# Allegro board 1156197-TDI_VU3P_QSFP28_CXP_V001_1023A-166-20241121_1644_PCB.brd (continued)
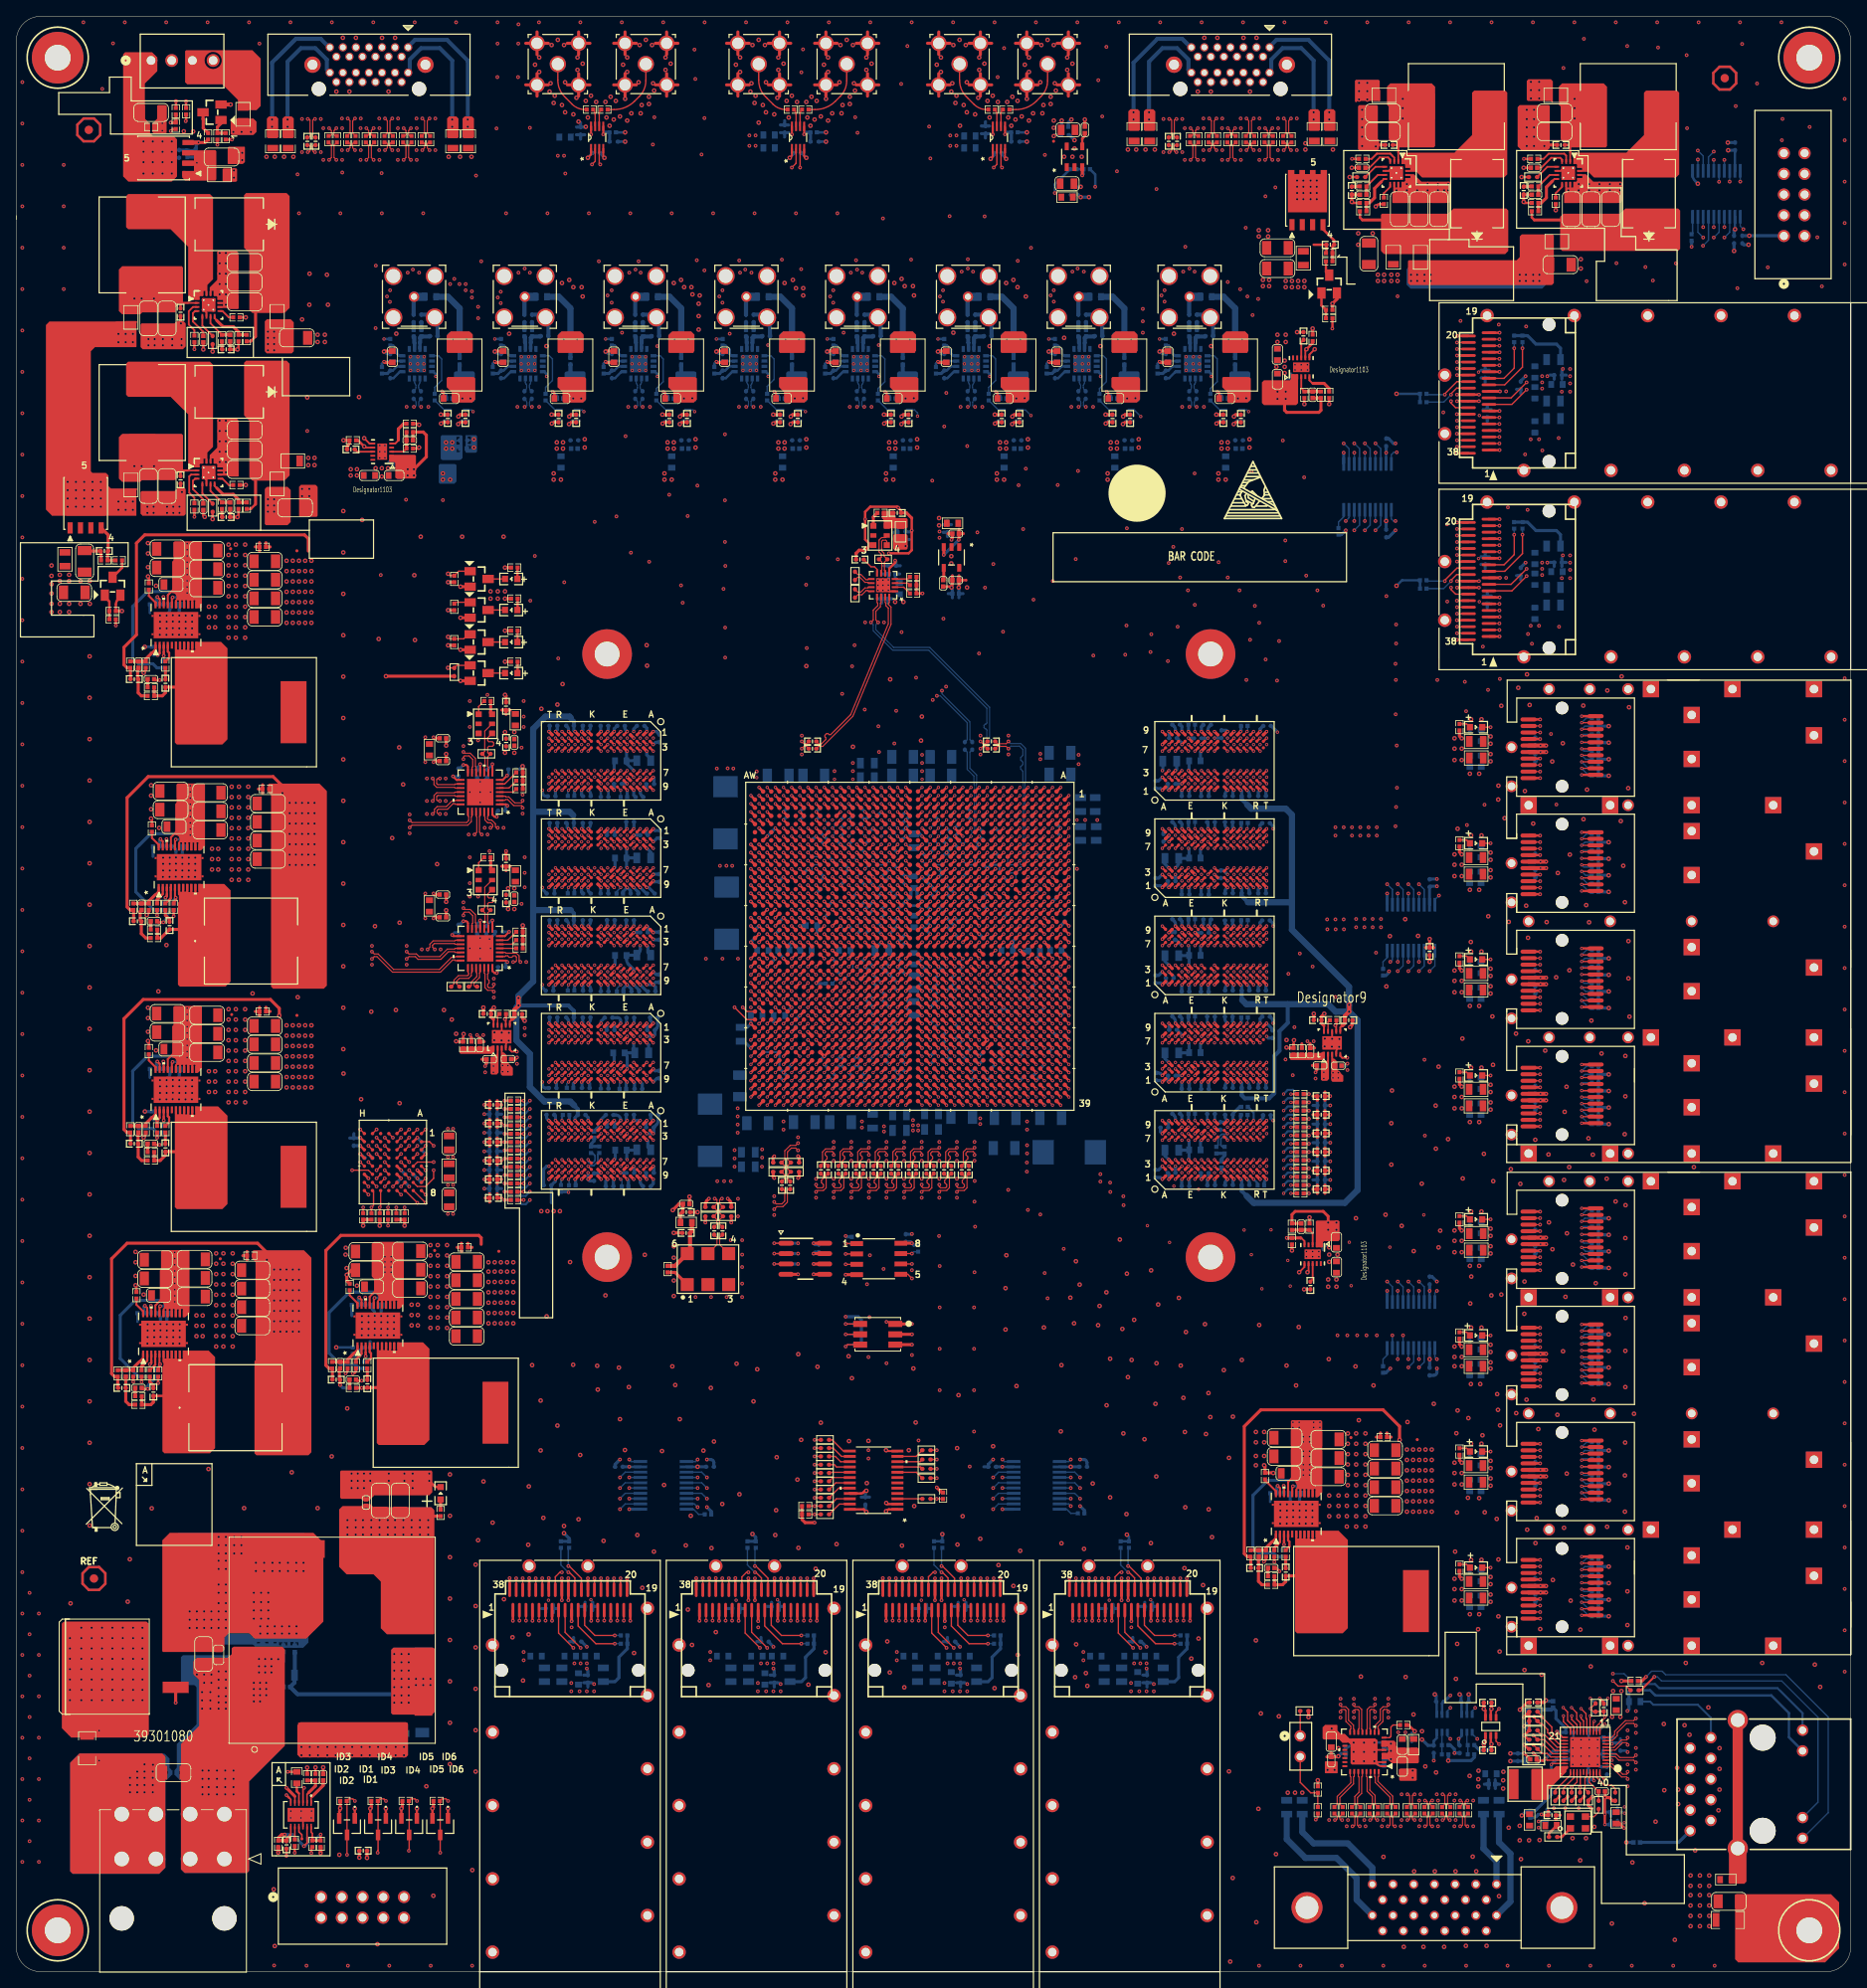
[diagram p0: board, top side]
## Routing (per net, layer and track width the routed paths; a pad name or vN(x,y) marks a point on that pad's centre or on a via; arc(x,y) is an arc through that point) (continued)
CHA_QSFP5_RX3_P: length 70.1
  TOP w0.14: J11.25 93.8,46.88 v1(93.8,48.29) ; U1.AE38 v3(104.1,107.36)
  ART14 w0.102: 98.45,105.86 98.45,105.89 98.5,105.94 98.5,107.39 arc(98.67,107.79) 99.07,107.96 103.22,107.96 arc(103.56,107.82) 103.7,107.48 103.7,107.06 arc(103.73,106.99) 103.8,106.96 104,106.96 arc(104.07,106.99) 104.1,107.06 v3(104.1,107.36)
  ART14 w0.114: v1(93.8,48.29) 93.99,48.48 arc(94.03,48.54) 94.04,48.61 94.04,48.62 arc(94.09,48.86) 94.23,49.07 94.54,49.38 arc(94.59,49.46) 94.61,49.57 94.61,64.89 arc(94.92,66.4) 95.77,67.68 97.17,69.08 arc(98.53,71.11) 99.01,73.52 99.01,103.58 arc(98.99,103.68) 98.93,103.76 98.61,104.08 arc(98.49,104.26) 98.45,104.48 98.45,105.86
CHA_QSFP5_TX0_N: length 70.8
  TOP w0.14: v1(84.2,48.29) 84.2,48.28 J11.37 ; U1.AM36 v3(97.1,109.36)
  ART16 w0.102: 97.43,105.94 97.43,105.97 97.48,106.02 97.48,107.62 97.5,108.04 97.5,109.64 arc(97.47,109.72) 97.39,109.76 97.25,109.76 arc(97.14,109.71) 97.1,109.61 v3(97.1,109.36)
  ART16 w0.114: 97.43,105.94 97.43,105.83 arc(97.51,105.38) 97.77,104.99 98.71,104.06 arc(98.93,103.73) 99.01,103.34 99.01,81.96 arc(98.12,77.48) 95.58,73.69 87.45,65.56 arc(86.04,63.45) 85.54,60.95 85.54,56.5 arc(85.38,55.69) 84.93,55.01 84.68,54.76 arc(84.02,53.78) 83.79,52.62 83.79,51.32 arc(83.77,51.27) 83.72,51.25 arc(83.66,51.23) 83.64,51.17 83.64,50.87 arc(83.66,50.81) 83.72,50.79 arc(83.77,50.77) 83.79,50.72 83.79,50.41 arc(83.77,50.36) 83.72,50.33 arc(83.66,50.31) 83.64,50.26 83.64,49.95 arc(83.66,49.9) 83.72,49.88 arc(83.77,49.86) 83.79,49.8 83.79,49.64 arc(83.84,49.42) 83.96,49.23 84.37,48.83 arc(84.42,48.74) 84.44,48.64 84.44,48.63 arc(84.42,48.54) 84.37,48.46 v1(84.2,48.29)
CHA_QSFP5_TX0_P: length 70.8
  TOP w0.14: J11.36 v1(85,48.29) ; U1.AM35 v3(97.1,110.36)
  ART16 w0.102: v3(97.1,110.36) 97.1,110.09 arc(97.14,110) 97.23,109.96 97.39,109.96 arc(97.61,109.87) 97.7,109.64 97.7,108.03 97.68,107.61 97.68,106.02 97.73,105.97 97.73,105.94
  ART16 w0.114: 97.73,105.94 97.73,105.83 97.73,105.83 arc(97.8,105.5) 97.99,105.21 98.93,104.27 arc(98.93,104.27) 98.93,104.27 arc(99.22,103.84) 99.31,103.34 99.31,81.96 arc(98.4,77.37) 95.8,73.47 87.67,65.35 arc(86.33,63.33) 85.85,60.95 85.85,56.5 arc(85.67,55.57) 85.14,54.79 84.9,54.54 arc(84.31,53.66) 84.1,52.62 84.1,49.64 arc(84.12,49.54) 84.18,49.45 84.58,49.05 arc(84.71,48.86) 84.75,48.64 84.75,48.63 arc(84.77,48.54) 84.82,48.46 v1(85,48.29)
CHA_QSFP5_TX1_N: length 84.7
  TOP w0.14: U1.AK36 v3(99.1,109.36) ; v1(84.6,43.09) 84.6,44.37 J11.2
  ART16 w0.102: v3(99.1,109.36) 99.1,109.57 arc(99.05,109.7) 98.91,109.76 98.8,109.76 arc(98.59,109.84) 98.5,110.06 98.5,110.46 arc(98.41,110.67) 98.2,110.76 97.07,110.76 arc(96.81,110.65) 96.7,110.39 96.7,108.07 96.72,107.66 96.72,105.94 96.78,105.89 96.78,105.86
  ART16 w0.114: 96.78,105.86 96.78,105.13 arc(96.84,104.8) 97.03,104.52 97.28,104.27 arc(97.28,104.27) 97.28,104.27 arc(97.47,103.98) 97.54,103.65 97.54,103.41 arc(97.56,103.36) 97.61,103.34 97.62,103.34 arc(97.68,103.31) 97.7,103.26 97.7,102.96 arc(97.68,102.9) 97.62,102.88 97.61,102.88 arc(97.56,102.86) 97.54,102.8 97.54,102.5 arc(97.56,102.44) 97.61,102.42 arc(97.67,102.4) 97.69,102.35 97.69,102.04 arc(97.67,101.99) 97.61,101.96 arc(97.56,101.94) 97.54,101.89 97.54,101.58 arc(97.56,101.53) 97.61,101.51 arc(97.67,101.49) 97.69,101.43 97.69,101.13 arc(97.67,101.07) 97.61,101.05 arc(97.56,101.03) 97.54,100.97 97.54,100.56 arc(97.47,100.23) 97.28,99.95 arc(97.09,99.67) 97.03,99.34 97.03,82.39 arc(96.29,78.67) 94.18,75.51 83.19,64.52 arc(81.78,62.41) 81.28,59.92 81.28,45.89 arc(81.3,45.84) 81.36,45.81 arc(81.41,45.79) 81.43,45.74 81.43,45.43 arc(81.41,45.38) 81.36,45.36 arc(81.3,45.33) 81.28,45.28 81.28,44.97 arc(81.3,44.92) 81.36,44.9 arc(81.41,44.88) 81.43,44.82 81.43,44.52 arc(81.41,44.46) 81.36,44.44 arc(81.3,44.42) 81.28,44.36 81.28,44.12 arc(81.36,43.72) 81.58,43.38 81.88,43.09 arc(81.94,43.07) 81.99,43.09 arc(82.05,43.11) 82.11,43.09 82.32,42.88 arc(82.34,42.82) 82.32,42.77 arc(82.29,42.71) 82.32,42.65 82.49,42.48 arc(82.7,42.34) 82.94,42.29 83.75,42.29 arc(83.81,42.31) 83.83,42.37 arc(83.85,42.42) 83.9,42.44 84.21,42.44 arc(84.26,42.42) 84.29,42.37 arc(84.31,42.31) 84.36,42.29 84.61,42.29 arc(84.78,42.36) 84.85,42.53 84.85,42.76 arc(84.83,42.83) 84.79,42.9 v1(84.6,43.09)
CHA_QSFP5_TX1_P: length 84.7
  TOP w0.14: v1(85.4,43.09) 85.4,44.37 J11.3 ; U1.AK35 v3(99.1,110.36)
  ART16 w0.102: v3(99.1,110.36) 99.1,110.15 arc(99.05,110.01) 98.91,109.96 98.8,109.96 arc(98.73,109.99) 98.7,110.06 98.7,110.46 arc(98.56,110.81) 98.2,110.96 97.07,110.96 arc(96.67,110.79) 96.5,110.39 96.5,108.07 96.52,107.65 96.52,105.94 96.47,105.89 96.47,105.86
  ART16 w0.114: v1(85.4,43.09) 85.22,42.91 arc(85.17,42.84) 85.16,42.75 85.16,42.53 arc(85,42.14) 84.61,41.98 82.94,41.98 arc(82.58,42.06) 82.27,42.26 81.37,43.17 arc(81.07,43.6) 80.97,44.12 80.97,59.92 arc(81.49,62.52) 82.97,64.73 93.96,75.73 arc(96,78.78) 96.72,82.39 96.72,99.34 arc(96.81,99.79) 97.06,100.17 arc(97.19,100.35) 97.23,100.56 97.23,103.65 arc(97.19,103.87) 97.06,104.05 96.81,104.3 arc(96.56,104.68) 96.47,105.13 96.47,105.86
CHA_QSFP5_TX2_N: length 69.5
  TOP w0.14: U1.AH36 v3(101.1,109.36) ; J11.34 v1(86.6,48.29)
  ART16 w0.102: 101.42,105.77 101.42,105.8 101.48,105.85 101.48,107.62 101.5,108.04 101.5,109.59 arc(101.45,109.71) 101.33,109.76 101.25,109.76 arc(101.14,109.71) 101.1,109.61 v3(101.1,109.36)
  ART16 w0.114: v1(86.6,48.29) 86.74,48.43 arc(86.82,48.54) 86.84,48.68 86.84,48.69 arc(86.87,48.86) 86.97,48.99 87.33,49.35 arc(87.44,49.52) 87.48,49.71 87.48,51.43 arc(87.88,53.45) 89.02,55.17 89.38,55.53 arc(90.04,56.51) 90.27,57.67 90.27,57.74 arc(90.25,57.79) 90.19,57.81 arc(90.14,57.84) 90.12,57.89 90.12,58.2 arc(90.14,58.25) 90.19,58.27 arc(90.25,58.29) 90.27,58.35 90.27,58.65 arc(90.25,58.71) 90.19,58.73 arc(90.14,58.75) 90.12,58.8 90.12,59.11 arc(90.14,59.16) 90.19,59.19 arc(90.25,59.21) 90.27,59.26 90.27,61.79 arc(90.87,64.8) 92.57,67.35 98.09,72.87 arc(99.99,75.72) 100.66,79.07 100.66,92.41 arc(100.74,92.8) 100.96,93.14 101.2,93.38 arc(101.37,93.63) 101.42,93.92 101.42,105.77
CHA_QSFP5_TX2_P: length 69.5
  TOP w0.14: U1.AH35 v3(101.1,110.36) ; v1(87.4,48.29) 87.4,46.88 J11.33
  ART16 w0.102: v3(101.1,110.36) 101.1,110.15 arc(101.16,110.01) 101.29,109.96 101.33,109.96 arc(101.59,109.85) 101.7,109.59 101.7,108.03 101.68,107.61 101.68,105.85 101.73,105.8 101.73,105.77
  ART16 w0.114: 101.73,105.77 101.73,93.92 arc(101.65,93.51) 101.42,93.17 101.18,92.92 arc(101.02,92.69) 100.97,92.41 100.97,79.07 arc(100.27,75.6) 98.3,72.65 92.79,67.13 arc(91.15,64.68) 90.58,61.79 90.58,57.67 arc(90.32,56.39) 89.6,55.31 89.24,54.95 arc(88.16,53.34) 87.78,51.43 87.78,49.71 arc(87.72,49.4) 87.54,49.14 87.18,48.78 arc(87.16,48.74) 87.15,48.69 87.15,48.61 arc(87.17,48.54) 87.21,48.47 v1(87.4,48.29)
CHA_QSFP5_TX3_N: length 75.7
  TOP w0.14: U1.AF36 v3(103.1,109.36) ; J11.5 87,44.37 v1(87,43.09)
  ART16 w0.102: 103.42,105.93 103.42,105.95 103.48,106.01 103.48,107.62 103.5,108.04 103.5,109.6 arc(103.45,109.71) 103.35,109.76 103.25,109.76 arc(103.14,109.71) 103.1,109.61 v3(103.1,109.36)
  ART16 w0.114: 103.42,105.93 103.42,105.8 arc(103.39,105.65) 103.31,105.52 103.18,105.39 103.12,105.33 arc(102.89,105) 102.82,104.61 102.82,103.07 arc(102.86,102.86) 102.98,102.68 103.07,102.6 arc(103.16,102.45) 103.2,102.28 103.2,77.18 arc(102.82,75.27) 101.74,73.65 96.6,68.51 arc(94.85,65.89) 94.23,62.79 94.23,57.73 arc(93.99,56.51) 93.3,55.48 90.1,52.28 arc(89.19,50.92) 88.87,49.32 88.87,48.15 arc(88.82,47.9) 88.68,47.69 87.84,46.85 arc(87.4,46.19) 87.25,45.42 87.25,45.1 arc(87.23,45.05) 87.18,45.03 87.17,45.03 arc(87.13,45.02) 87.11,44.97 87.11,44.64 arc(87.13,44.59) 87.17,44.58 87.18,44.58 arc(87.23,44.56) 87.25,44.52 87.25,44.18 arc(87.23,44.14) 87.18,44.12 87.17,44.12 arc(87.13,44.1) 87.11,44.06 87.11,43.72 arc(87.13,43.68) 87.17,43.66 87.18,43.66 arc(87.23,43.64) 87.25,43.6 87.25,43.42 arc(87.23,43.34) 87.19,43.27 v1(87,43.09)
CHA_QSFP5_TX3_P: length 75.7
  TOP w0.14: U1.AF35 v3(103.1,110.36) ; v1(87.8,43.09) 87.8,43.09 J11.6
  ART16 w0.102: 103.73,105.93 103.73,105.95 103.68,106.01 103.68,107.61 103.7,108.03 103.7,109.6 arc(103.6,109.85) 103.35,109.96 103.29,109.96 arc(103.16,110.01) 103.1,110.15 v3(103.1,110.36)
  ART16 w0.114: v1(87.8,43.09) 87.59,43.3 arc(87.56,43.34) 87.55,43.38 87.55,45.42 arc(87.68,46.07) 88.06,46.63 88.9,47.47 arc(89.11,47.78) 89.18,48.15 89.18,49.32 arc(89.47,50.81) 90.32,52.06 93.52,55.26 arc(94.27,56.4) 94.54,57.73 94.54,62.79 arc(95.13,65.77) 96.82,68.29 101.95,73.43 arc(103.1,75.15) 103.5,77.18 103.5,102.28 arc(103.45,102.57) 103.28,102.81 103.2,102.9 arc(103.14,102.98) 103.12,103.07 103.12,104.61 arc(103.18,104.88) 103.33,105.11 103.53,105.3 arc(103.68,105.53) 103.73,105.8 103.73,105.93
CHA_QSFP5_VCCI: length 4.2
  TOP w0.305: v1(89.8,48.29) J11.30 v1(89.8,45.59)
  BOTTOM w0.381: 88.76,44.07 C511.1 ; C511.1 88.76,45.08 ; C511.1 89.3,44.57
CHA_QSFP5_VCCRX: length 2.4
  TOP w0.356: J11.10 91,43.03 v1(91,43.03)
  BOTTOM w0.381: 91.35,41.02 C507.1 90.81,40.52
  vias: v1(91,42.26)
CHA_QSFP5_VCCTX: length 4.2
  TOP w0.305: v1(90.6,45.59) 90.6,45.59 J11.29 90.6,48.29 v1(90.6,48.29)
  BOTTOM w0.381: 92.11,44.83 C509.1 ; C509.1 92.65,44.32 ; C509.1 92.65,45.34
CHA_QSFP6_I2C_SCL: length 45.9
  TOP w0.17: v1(119.18,40.26) 116.86,40.26 114.68,42.43 J13.11 ; v1(97.92,60.2) R513.2
  ART05 w0.122: v1(119.18,40.26) 117.47,38.56 111.76,38.56 108.67,41.66 106.32,41.66 105.03,42.95 105.03,53.36 98.19,60.2 v1(97.92,60.2)
  BOTTOM w0.17: R263.2 v1(119.18,40.26)
CHA_QSFP6_I2C_SDA: length 44.8
  TOP w0.17: v1(119.18,41.27) 116.73,41.27 115.48,42.52 J13.12 ; v1(97.92,61.21) R512.2
  ART05 w0.122: v1(119.18,41.27) 117.02,39.12 112,39.12 108.9,42.21 106.76,42.21 105.66,43.31 105.66,53.47 v1(97.92,61.21)
  BOTTOM w0.17: R264.2 v1(119.18,41.27)
CHA_QSFP6_INTL: length 5.9
  TOP w0.17: v1(113.48,49.02) 113.59,49.02 114.28,48.33 J13.28
  BOTTOM w0.17: v1(113.48,49.02) 113.46,49.02 112.57,49.92 R266.2
CHA_QSFP6_LPMODE: length 26.9
  TOP w0.17: J13.31 111.88,48.46 112.45,49.02 v1(112.68,49.02)
  ART05 w0.122: v1(112.68,49.02) 112.06,49.64 112.06,54.61 119.18,61.72 120.32,61.72 120.7,61.34 121.34,61.34 121.59,61.09 121.59,60.33 121.34,60.07 120.52,60.07 v1(119.81,59.37)
  BOTTOM w0.17: v1(119.81,59.37) 120.46,60.02 U23.16
CHA_QSFP6_LPMODE_1V8: length 70
  TOP w0.152: U1.K25 v1(120.1,120.36)
  ART12 w0.122: v1(120.1,120.36) 119.51,119.77 119.51,103.51 119.41,103.4 119.41,71.53 127.64,63.3 127.64,61.09 128.78,59.94 129.9,59.94 v1(130.48,59.37)
  BOTTOM w0.17: v1(130.48,59.37) 129.83,60.02 U23.5
CHA_QSFP6_MODPRSL: length 23.4
  TOP w0.17: v1(113.48,49.78) 113.59,49.78 115.08,48.29 J13.27
  ART05 w0.122: v1(120.95,60.67) 120.74,60.67 120.19,61.21 119.48,61.21 112.83,54.56 112.83,50.44 v1(113.48,49.78)
  BOTTOM w0.17: v1(113.48,49.78) 113.48,51.92 R265.2 ; U23.17 v1(120.95,60.67)
CHA_QSFP6_MODPRSL_1V8: length 66.5
  TOP w0.152: U1.J25 v1(121.1,120.36)
  ART12 w0.122: v1(121.1,120.36) 120.52,119.78 120.52,106.17 119.83,105.48 119.83,71.82 128.14,63.51 128.14,61.34 128.82,60.67 v1(129.34,60.67)
  BOTTOM w0.17: U23.4 v1(129.34,60.67)
CHA_QSFP6_MODSEIL: length 36
  TOP w0.17: v1(114.1,39.75) 112.28,41.56 J13.8
  ART05 w0.122: v1(120.95,62.87) 120.32,62.23 118.82,62.23 111.3,54.71 111.3,49.4 111.94,48.77 111.94,44.58 113.08,43.43 113.08,40.77 v1(114.1,39.75)
  BOTTOM w0.17: v1(120.95,62.87) 121.2,62.62 U23.20
CHA_QSFP6_MODSEIL_1V8: length 68.1
  TOP w0.152: U1.J23 120.1,122.36 v1(120.1,122.36)
  ART12 w0.122: v1(120.1,122.36) 120.54,121.92 122.3,121.92 122.56,121.67 122.56,106.17 120.68,104.29 120.68,72.42 129.34,63.75 v1(129.34,62.87)
  BOTTOM w0.17: v1(129.34,62.87) 129.09,62.62 U23.1
CHA_QSFP6_RESETL: length 31.5
  TOP w0.17: v1(114.99,39.75) 113.08,41.65 J13.9
  ART05 w0.122: v1(114.99,39.75) 114.48,40.26 114.48,55.33 v1(119.81,60.67)
  BOTTOM w0.17: v1(119.81,60.67) 120.46,61.32 U23.18
CHA_QSFP6_RESETL_1V8: length 69.5
  TOP w0.152: U1.J24 v1(121.1,121.36)
  ART12 w0.122: v1(121.1,121.36) 121.54,120.92 121.54,106.17 120.24,104.88 120.24,72.13 128.65,63.72 128.65,61.85 129.16,61.34 129.8,61.34 v1(130.48,60.67)
  BOTTOM w0.17: U23.3 129.83,61.32 v1(130.48,60.67)
CHA_QSFP6_RX0_N: length 72.9
  TOP w0.14: J13.18 120.28,44.37 v1(120.28,43.09) ; U1.AC39 v3(106.1,106.36)
  ART14 w0.102: v3(106.1,106.36) 106.1,106.65 arc(106.07,106.73) 106,106.76 105.82,106.76 arc(105.74,106.72) 105.7,106.64 105.7,105.97 105.75,105.92 105.75,105.89
  ART14 w0.114: v1(120.28,43.09) 120.15,43.22 arc(120.07,43.35) 120.04,43.5 120.04,43.69 arc(119.94,44.18) 119.66,44.6 119.51,44.75 arc(119.49,44.8) 119.51,44.85 119.51,44.85 arc(119.53,44.9) 119.51,44.95 119.29,45.17 arc(119.24,45.2) 119.19,45.17 arc(119.14,45.15) 119.09,45.17 118.87,45.4 arc(118.85,45.45) 118.87,45.5 118.87,45.5 arc(118.89,45.55) 118.87,45.6 118.64,45.82 arc(118.59,45.84) 118.54,45.82 118.54,45.82 arc(118.49,45.8) 118.44,45.82 117.88,46.38 arc(117.49,46.64) 117.02,46.74 116.64,46.74 arc(116.05,46.85) 115.55,47.19 114.75,47.99 arc(114.55,48.29) 114.48,48.64 114.48,49.87 arc(114.2,51.25) 113.42,52.41 108.15,57.69 arc(106.38,60.34) 105.75,63.46 105.75,105.89
CHA_QSFP6_RX0_P: length 72.9
  TOP w0.14: v1(119.48,43.09) 119.48,44.37 J13.17 ; U1.AC38 v3(106.1,107.36)
  ART14 w0.102: 105.45,105.89 105.45,105.92 105.5,105.97 105.5,106.64 arc(105.59,106.87) 105.82,106.96 106,106.96 arc(106.07,106.99) 106.1,107.06 v3(106.1,107.36)
  ART14 w0.114: 105.45,105.89 105.45,63.46 arc(106.09,60.22) 107.93,57.47 113.2,52.2 arc(113.92,51.13) 114.17,49.87 114.17,48.64 arc(114.26,48.17) 114.53,47.77 115.34,46.97 arc(115.93,46.57) 116.64,46.43 117.02,46.43 arc(117.37,46.36) 117.67,46.16 119.44,44.39 arc(119.65,44.07) 119.73,43.69 119.73,43.47 arc(119.71,43.34) 119.64,43.24 v1(119.48,43.09)
CHA_QSFP6_RX1_N: length 65.8
  TOP w0.14: U1.AA39 v3(108.1,106.36) ; v1(119.88,48.29) 119.88,48.28 J13.21
  ART14 w0.102: v3(108.1,106.36) 108.1,106.65 arc(108.07,106.73) 108,106.76 107.82,106.76 arc(107.74,106.72) 107.7,106.64 107.7,105.97 107.75,105.92 107.75,105.89
  ART14 w0.114: 107.75,105.89 107.75,105.72 arc(107.77,105.61) 107.83,105.53 107.96,105.4 arc(108.01,105.38) 108.06,105.4 arc(108.11,105.42) 108.16,105.4 108.38,105.18 arc(108.4,105.13) 108.38,105.08 arc(108.36,105.03) 108.38,104.98 108.61,104.75 arc(108.66,104.73) 108.71,104.75 arc(108.76,104.78) 108.81,104.75 109.03,104.53 arc(109.05,104.48) 109.03,104.43 arc(109.01,104.38) 109.03,104.33 109.18,104.18 arc(109.3,103.99) 109.35,103.78 109.35,102.85 arc(109.37,102.75) 109.42,102.67 109.94,102.15 arc(110.07,101.96) 110.11,101.74 110.11,94.02 arc(110.44,92.34) 111.4,90.92 113.14,89.18 arc(114.07,87.77) 114.4,86.12 114.4,61.71 arc(114.89,59.24) 116.29,57.14 118.52,54.92 arc(119.34,53.68) 119.64,52.22 119.64,48.7 arc(119.67,48.54) 119.75,48.42 v1(119.88,48.29)
CHA_QSFP6_RX1_P: length 65.7
  TOP w0.14: v1(119.08,48.29) 119.08,48.28 J13.22 ; U1.AA38 v3(108.1,107.36)
  ART14 w0.102: 107.45,105.89 107.45,105.92 107.5,105.97 107.5,106.64 arc(107.59,106.87) 107.82,106.96 108,106.96 arc(108.07,106.99) 108.1,107.06 v3(108.1,107.36)
  ART14 w0.114: 107.45,105.89 107.45,105.72 arc(107.49,105.5) 107.61,105.31 108.96,103.96 arc(109.02,103.88) 109.04,103.78 109.04,102.85 arc(109.08,102.63) 109.21,102.45 109.72,101.93 arc(109.78,101.85) 109.8,101.74 109.8,94.02 arc(110.16,92.22) 111.18,90.7 112.92,88.96 arc(113.79,87.66) 114.09,86.12 114.09,61.71 arc(114.61,59.12) 116.08,56.92 118.3,54.7 arc(119.06,53.56) 119.33,52.22 119.33,48.7 arc(119.3,48.54) 119.21,48.42 v1(119.08,48.29)
CHA_QSFP6_RX2_N: length 76.7
  TOP w0.14: U1.W39 v3(111.1,106.36) ; v1(117.88,43.09) 117.88,44.37 J13.15
  ART14 w0.102: 111.45,105.89 111.45,105.92 111.5,105.97 111.5,106.65 arc(111.47,106.73) 111.4,106.76 111.2,106.76 arc(111.13,106.73) 111.1,106.65 v3(111.1,106.36)
  ART14 w0.114: 111.45,105.89 111.45,105.72 arc(111.43,105.67) 111.38,105.65 111.37,105.65 arc(111.32,105.63) 111.3,105.57 111.3,105.26 arc(111.32,105.21) 111.37,105.19 111.38,105.19 arc(111.43,105.17) 111.45,105.12 111.45,104.64 arc(111.49,104.42) 111.61,104.23 111.81,104.04 arc(111.87,103.95) 111.89,103.85 111.89,103.59 arc(111.86,103.53) 111.8,103.51 arc(111.74,103.48) 111.71,103.42 111.71,103.14 arc(111.74,103.07) 111.8,103.05 arc(111.86,103.02) 111.89,102.96 111.89,102.68 arc(111.86,102.62) 111.8,102.59 arc(111.74,102.56) 111.71,102.5 111.71,102.22 arc(111.74,102.16) 111.8,102.13 arc(111.86,102.11) 111.89,102.04 111.89,94.92 arc(112.3,92.83) 113.49,91.06 117.87,86.67 117.96,86.58 arc(118.28,86.11) 118.39,85.55 118.39,58.43 arc(118.72,56.78) 119.66,55.38 120.43,54.6 arc(121.1,53.6) 121.34,52.41 121.34,52.27 arc(121.31,52.22) 121.26,52.2 arc(121.21,52.18) 121.18,52.12 121.18,51.82 arc(121.21,51.76) 121.26,51.74 arc(121.31,51.72) 121.34,51.67 121.34,51.36 arc(121.31,51.31) 121.26,51.28 arc(121.21,51.26) 121.18,51.21 121.18,50.9 arc(121.21,50.85) 121.26,50.83 arc(121.31,50.8) 121.34,50.75 121.34,50.45 arc(121.31,50.39) 121.26,50.37 arc(121.21,50.35) 121.18,50.29 121.18,49.99 arc(121.21,49.94) 121.26,49.91 arc(121.31,49.89) 121.34,49.84 121.34,44.12 arc(121.38,43.91) 121.5,43.72 121.77,43.46 arc(121.82,43.37) 121.84,43.27 121.84,42.92 arc(121.67,42.51) 121.26,42.34 118.52,42.34 arc(118.47,42.36) 118.44,42.42 arc(118.42,42.47) 118.37,42.49 118.06,42.49 arc(118.01,42.47) 117.99,42.42 arc(117.97,42.36) 117.91,42.34 117.83,42.34 arc(117.69,42.4) 117.64,42.54 117.64,42.69 arc(117.66,42.83) 117.74,42.95 v1(117.88,43.09)
CHA_QSFP6_RX2_P: length 76.7
  TOP w0.14: J13.14 117.08,44.37 v1(117.08,43.09) ; U1.W38 v3(111.1,107.36)
  ART14 w0.102: 111.75,105.89 111.75,105.92 111.7,105.97 111.7,106.65 arc(111.61,106.87) 111.4,106.96 111.2,106.96 arc(111.13,106.99) 111.1,107.06 v3(111.1,107.36)
  ART14 w0.114: 111.75,105.89 111.75,104.64 arc(111.77,104.53) 111.83,104.45 112.03,104.25 arc(112.15,104.07) 112.19,103.85 112.19,94.92 arc(112.59,92.95) 113.71,91.27 118.09,86.89 118.18,86.8 arc(118.56,86.23) 118.7,85.55 118.7,58.43 arc(119,56.9) 119.87,55.59 120.65,54.82 arc(121.38,53.72) 121.64,52.41 121.64,44.12 arc(121.66,44.02) 121.72,43.94 121.98,43.68 arc(122.11,43.49) 122.15,43.27 122.15,42.92 arc(121.89,42.29) 121.26,42.03 117.83,42.03 arc(117.48,42.18) 117.33,42.54 117.33,42.69 arc(117.3,42.83) 117.22,42.95 v1(117.08,43.09)
CHA_QSFP6_RX3_N: length 73.7
  TOP w0.14: U1.U39 v3(113.1,106.36) ; J13.24 117.48,46.88 v1(117.48,48.29)
  ART14 w0.102: v3(113.1,106.36) 113.1,106.65 arc(113.07,106.73) 113,106.76 112.8,106.76 arc(112.59,106.84) 112.5,107.06 112.5,107.51 arc(112.43,107.68) 112.26,107.76 107.07,107.76 arc(106.81,107.65) 106.7,107.39 106.7,105.94 106.75,105.89 106.75,105.86
  ART14 w0.114: 106.75,105.86 106.75,105.12 arc(106.8,104.9) 106.92,104.71 107.37,104.27 107.65,103.98 arc(107.86,103.68) 107.93,103.32 107.93,103.07 arc(107.95,103.03) 107.99,103.01 arc(108.03,102.99) 108.05,102.95 108.05,102.62 arc(108.03,102.57) 107.99,102.55 arc(107.95,102.54) 107.93,102.49 107.93,102.16 arc(107.95,102.12) 107.99,102.1 arc(108.03,102.08) 108.05,102.04 108.05,101.7 arc(108.03,101.66) 107.99,101.64 arc(107.95,101.62) 107.93,101.58 107.93,65.47 arc(108.54,62.38) 110.29,59.76 116.82,53.23 arc(117.68,51.95) 117.98,50.43 117.98,49.77 arc(117.93,49.5) 117.78,49.28 117.31,48.81 arc(117.26,48.72) 117.24,48.62 117.24,48.61 arc(117.25,48.54) 117.29,48.48 v1(117.48,48.29)
CHA_QSFP6_RX3_P: length 73.7
  TOP w0.14: J13.25 116.68,46.88 v1(116.68,48.29) ; U1.U38 v3(113.1,107.36)
  ART14 w0.102: v3(113.1,107.36) 113.1,107.06 arc(113.07,106.99) 113,106.96 112.8,106.96 arc(112.73,106.99) 112.7,107.06 112.7,107.51 arc(112.57,107.83) 112.26,107.96 107.07,107.96 arc(106.67,107.79) 106.5,107.39 106.5,105.94 106.45,105.89 106.45,105.86
  ART14 w0.114: 106.45,105.86 106.45,105.12 arc(106.51,104.78) 106.7,104.5 106.93,104.27 107.43,103.77 arc(107.57,103.56) 107.62,103.32 107.62,65.47 arc(108.26,62.26) 110.07,59.54 116.61,53.01 arc(117.4,51.83) 117.68,50.43 117.68,49.77 arc(117.65,49.62) 117.56,49.49 117.1,49.03 arc(116.97,48.84) 116.93,48.62 116.93,48.61 arc(116.91,48.54) 116.87,48.48 v1(116.68,48.29)
CHA_QSFP6_TX0_N: length 66.4
  TOP w0.14: U1.AD36 v3(105.1,109.36) ; v1(107.08,48.29) 107.08,48.28 J13.37
  ART16 w0.102: 105.42,105.81 105.42,105.83 105.48,105.88 105.48,107.62 105.5,108.04 105.5,109.63 arc(105.46,109.72) 105.37,109.76 105.25,109.76 arc(105.14,109.71) 105.1,109.61 v3(105.1,109.36)
  ART16 w0.114: 105.42,105.81 105.42,105.69 arc(105.49,105.37) 105.67,105.09 106.03,104.74 arc(106.33,104.54) 106.68,104.47 arc(107,104.42) 107.29,104.27 arc(107.59,103.91) 107.7,103.45 107.7,57.64 arc(107.68,57.6) 107.63,57.58 107.62,57.58 arc(107.57,57.56) 107.56,57.51 107.56,57.18 arc(107.57,57.14) 107.62,57.12 107.63,57.12 arc(107.68,57.1) 107.7,57.06 107.7,56.73 arc(107.68,56.68) 107.63,56.66 107.62,56.66 arc(107.57,56.64) 107.56,56.6 107.56,56.27 arc(107.57,56.22) 107.62,56.21 107.63,56.21 arc(107.68,56.19) 107.7,56.14 107.7,55.03 arc(107.66,54.83) 107.55,54.67 107.08,54.2 arc(106.88,53.89) 106.8,53.53 106.8,49.62 arc(106.87,49.3) 107.05,49.03 107.25,48.83 arc(107.31,48.74) 107.33,48.64 107.33,48.63 arc(107.31,48.54) 107.26,48.46 v1(107.08,48.29)
CHA_QSFP6_TX0_P: length 66.4
  TOP w0.14: U1.AD35 v3(105.1,110.36) ; J13.36 v1(107.88,48.29)
  ART16 w0.102: v3(105.1,110.36) 105.1,110.15 arc(105.16,110.01) 105.29,109.96 105.37,109.96 arc(105.61,109.86) 105.7,109.63 105.7,108.03 105.68,107.61 105.68,105.88 105.73,105.83 105.73,105.81
  ART16 w0.114: 105.73,105.81 105.73,105.69 arc(105.77,105.49) 105.89,105.31 106.25,104.95 arc(106.45,104.82) 106.68,104.78 arc(107.26,104.64) 107.72,104.27 arc(107.93,103.88) 108,103.45 108,55.03 arc(107.94,54.71) 107.76,54.45 107.3,53.99 arc(107.16,53.78) 107.11,53.53 107.11,49.62 arc(107.15,49.42) 107.27,49.25 107.47,49.05 arc(107.59,48.86) 107.64,48.64 107.64,48.63 arc(107.65,48.54) 107.71,48.46 v1(107.88,48.29)
CHA_QSFP6_TX1_N: length 77.7
  TOP w0.14: J13.2 v1(107.48,43.09) ; U1.AB36 v3(107.1,109.36)
  ART16 w0.102: 104.78,105.86 104.78,105.89 104.72,105.94 104.72,107.66 104.7,108.07 104.7,110.39 arc(104.81,110.65) 105.07,110.76 106.2,110.76 arc(106.41,110.67) 106.5,110.46 106.5,110.15 arc(106.61,109.87) 106.89,109.76 106.91,109.76 arc(107.05,109.7) 107.1,109.57 v3(107.1,109.36)
  ART16 w0.114: v1(107.48,43.09) 107.63,42.94 arc(107.71,42.83) 107.73,42.69 107.73,42.68 arc(107.63,42.42) 107.37,42.32 107.19,42.32 arc(107.14,42.34) 107.12,42.39 arc(107.1,42.45) 107.04,42.47 106.74,42.47 arc(106.68,42.45) 106.66,42.39 arc(106.64,42.34) 106.58,42.32 106.28,42.32 arc(106.16,42.34) 106.05,42.41 105.85,42.61 arc(105.73,42.79) 105.69,43 105.69,43.53 arc(105.72,43.59) 105.78,43.61 arc(105.84,43.64) 105.87,43.7 105.87,43.98 arc(105.84,44.05) 105.78,44.07 arc(105.72,44.1) 105.69,44.16 105.69,44.44 arc(105.72,44.5) 105.78,44.53 arc(105.84,44.55) 105.87,44.62 105.87,44.9 arc(105.84,44.96) 105.78,44.99 arc(105.72,45.01) 105.69,45.07 105.69,45.35 arc(105.72,45.42) 105.78,45.44 arc(105.84,45.47) 105.87,45.53 105.87,45.81 arc(105.84,45.87) 105.78,45.9 arc(105.72,45.93) 105.69,45.99 105.69,101.49 arc(105.59,101.99) 105.3,102.42 104.93,102.79 arc(104.82,102.96) 104.78,103.16 104.78,103.3 arc(104.81,103.37) 104.88,103.4 104.89,103.4 arc(104.96,103.43) 104.99,103.5 104.99,103.76 arc(104.96,103.83) 104.89,103.86 104.88,103.86 arc(104.81,103.89) 104.78,103.96 104.78,104.22 arc(104.81,104.29) 104.88,104.32 arc(104.95,104.35) 104.98,104.42 104.98,104.67 arc(104.95,104.74) 104.88,104.77 arc(104.81,104.8) 104.78,104.87 104.78,105.86
CHA_QSFP6_TX1_P: length 77.7
  TOP w0.14: J13.3 v1(108.28,43.09) ; U1.AB35 v3(107.1,110.36)
  ART16 w0.102: v3(107.1,110.36) 107.1,110.15 arc(107.05,110.01) 106.91,109.96 106.89,109.96 arc(106.76,110.01) 106.7,110.15 106.7,110.46 arc(106.56,110.81) 106.2,110.96 105.07,110.96 arc(104.67,110.79) 104.5,110.39 104.5,108.07 104.52,107.65 104.52,105.94 104.47,105.89 104.47,105.86
  ART16 w0.114: v1(108.28,43.09) 108.15,42.95 arc(108.07,42.83) 108.04,42.69 108.04,42.68 arc(107.84,42.21) 107.37,42.01 106.28,42.01 arc(106.04,42.06) 105.83,42.19 105.63,42.39 arc(105.45,42.67) 105.38,43 105.38,101.49 arc(105.31,101.87) 105.09,102.2 104.71,102.58 arc(104.53,102.84) 104.47,103.16 104.47,105.86
CHA_QSFP6_TX2_N: length 65.4
  TOP w0.14: J13.34 v1(109.48,48.29) ; U1.V36 v3(112.1,109.36)
  ART16 w0.102: v3(112.1,109.36) 112.1,109.61 arc(112.14,109.71) 112.25,109.76 112.37,109.76 arc(112.46,109.72) 112.5,109.63 112.5,108.04 112.48,107.62 112.48,106.02 112.42,105.97 112.42,105.94
  ART16 w0.114: 112.42,105.94 112.42,103.34 arc(112.37,103.05) 112.2,102.81 arc(111.97,102.46) 111.89,102.04 111.89,57.45 arc(111.77,56.87) 111.45,56.38 111.45,56.38 arc(110.64,55.18) 110.36,53.76 110.36,52.4 arc(110.34,52.35) 110.3,52.33 arc(110.25,52.32) 110.24,52.27 110.24,51.94 arc(110.25,51.9) 110.3,51.88 arc(110.34,51.86) 110.36,51.82 110.36,51.48 arc(110.34,51.44) 110.3,51.42 arc(110.25,51.4) 110.24,51.36 110.24,51.03 arc(110.25,50.98) 110.3,50.96 arc(110.34,50.95) 110.36,50.9 110.36,49.71 arc(110.32,49.52) 110.21,49.35 109.85,48.99 arc(109.76,48.86) 109.73,48.69 109.73,48.68 arc(109.7,48.54) 109.62,48.43 v1(109.48,48.29)
CHA_QSFP6_TX2_P: length 65.5
  TOP w0.14: U1.V35 v3(112.1,110.36) ; v1(110.28,48.29) 110.28,46.88 J13.33
  ART16 w0.102: 112.73,105.94 112.73,105.97 112.68,106.02 112.68,107.61 112.7,108.03 112.7,109.63 arc(112.61,109.86) 112.37,109.96 112.29,109.96 arc(112.16,110.01) 112.1,110.15 v3(112.1,110.36)
  ART16 w0.114: v1(110.28,48.29) 110.09,48.47 arc(110.05,48.54) 110.04,48.61 110.04,48.69 arc(110.04,48.74) 110.07,48.78 110.43,49.14 arc(110.61,49.4) 110.67,49.71 110.67,53.76 arc(110.93,55.06) 111.66,56.16 arc(112.06,56.75) 112.19,57.45 112.19,102.04 arc(112.25,102.34) 112.42,102.59 arc(112.65,102.94) 112.73,103.34 112.73,105.94